# Altium PCB WunderBar_v102b.PcbDoc (part 6 of 7)
Units mil, origin at the board's own origin, x right, y up, seen from the top; angles counter-clockwise.
Board outline 4556.01 x 1552 mil, 4 copper layers (Top, Route2, Route15, Bottom), stack 52.756 mil thick; 380 components, 258 nets, 1400 pads, 528 vias.
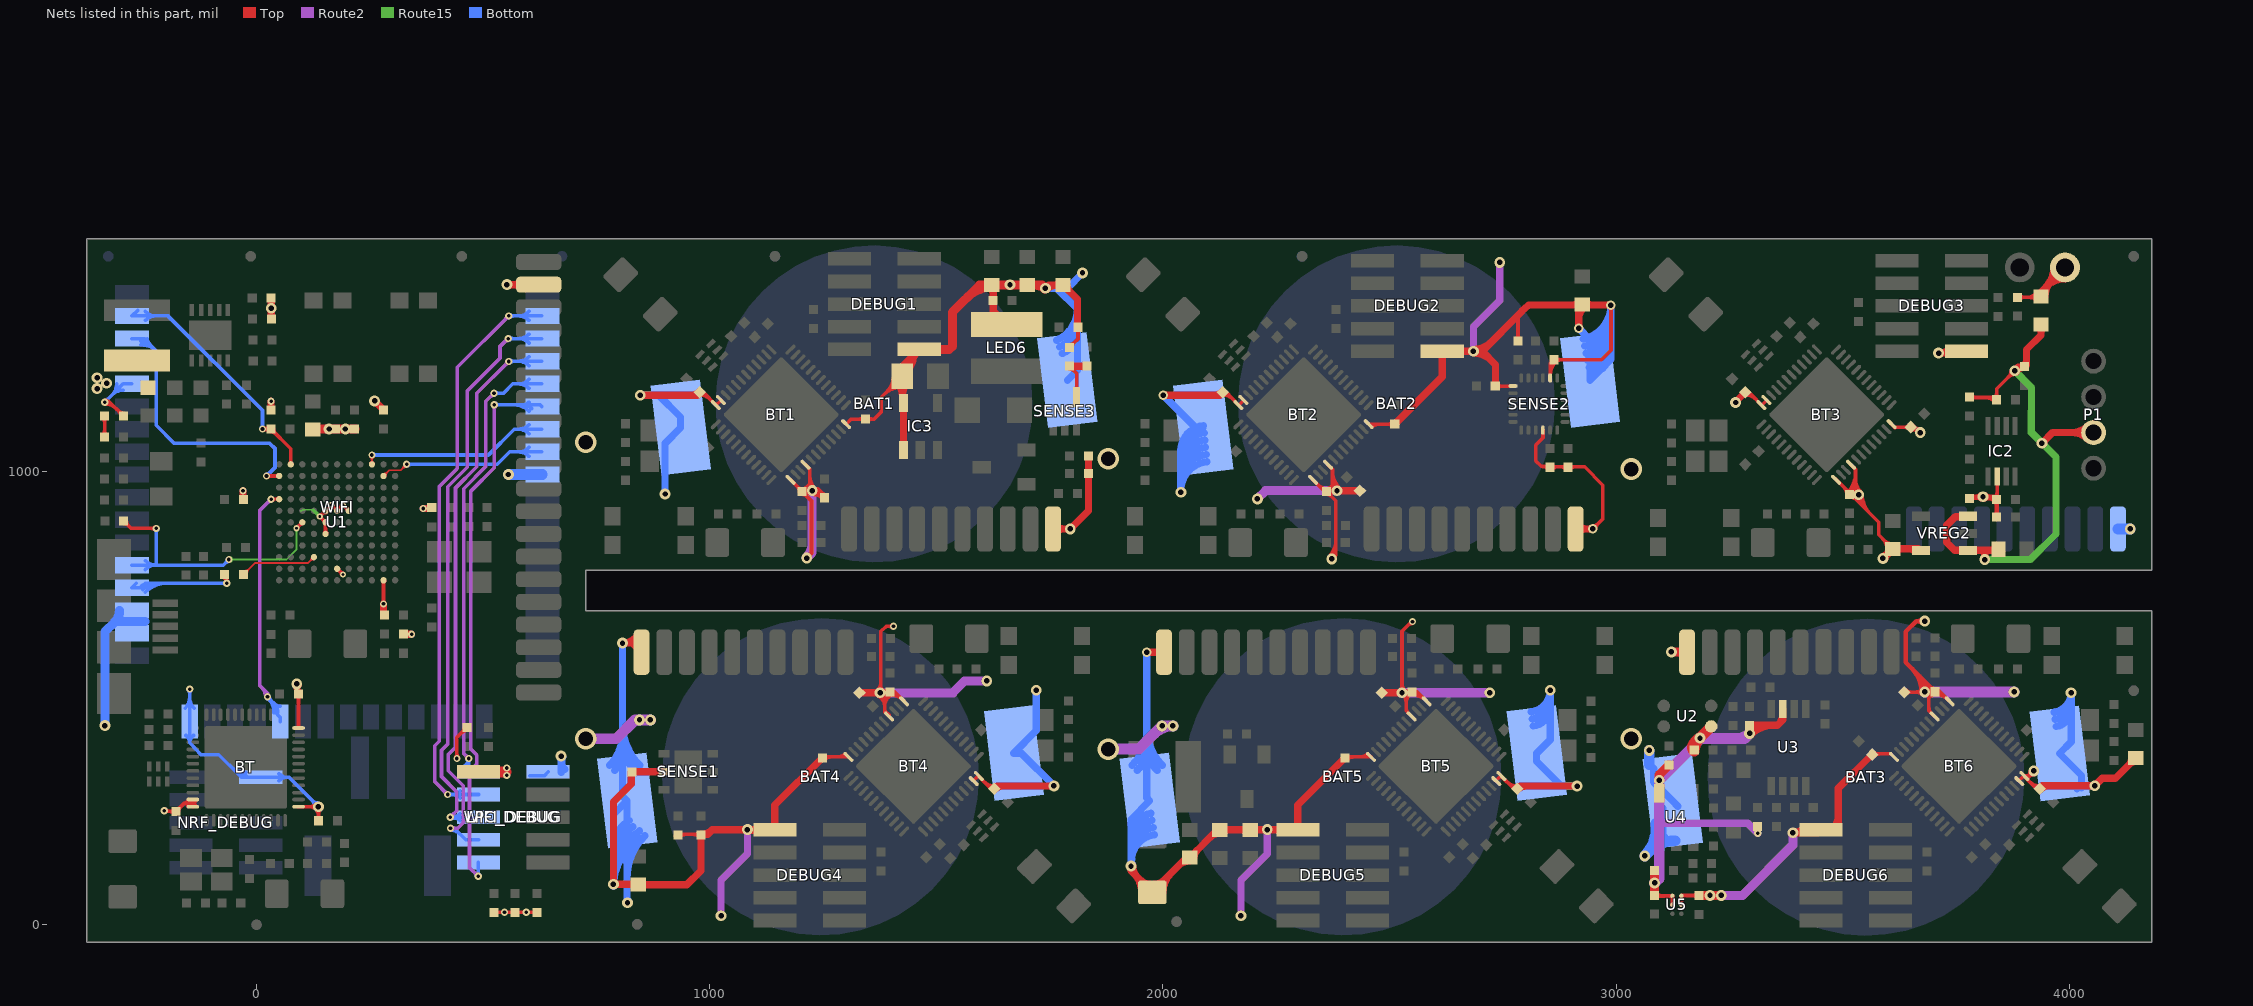
[diagram p8: the nets of this part, all layers, seen from the top]

## Via types
v1: diameter 16, hole 8, Top to Bottom, tented both sides, 282 vias
v2: diameter 24, hole 12, Top to Bottom, tented both sides, 135 vias
v3: diameter 14, hole 6, Top to Bottom, tented both sides, 34 vias
v4: diameter 48/41/41/48 (per signal layer), hole 32, Top to Bottom, 30 vias
v5: diameter 16, hole 8, Top to Route2, tented top, 18 vias
v6: diameter 21/21/21/21 (per signal layer), hole 12, Top to Bottom, tented both sides, 15 vias
v7: diameter 24, hole 12, Top to Route2, tented top, 12 vias
v8: diameter 21/21/21/21 (per signal layer), hole 12, Top to Bottom, 1 vias
v9: diameter 24, hole 8, Top to Bottom, tented both sides, 1 vias

## Nets (pads, with @x,y where several pads share a name; then routed paths per layer and width w, separated by ;. In a path a pad name is that pad's centre, name@x,y a point inside that pad or via, vN(x,y) a via of type N, cw(c..) or ccw(c..) an arc to the next point about the centre after c; other vN are vias at no path point) (continued)
VD33: BAT1.+1 BAT1.+2 BAT2.+1 BAT2.+2 BAT3.+1 BAT3.+2 BAT4.+1 BAT4.+2 BAT5.+1 BAT5.+2 BT1.1 BT1.4 BT1.12 BT1.35 BT1.36 BT2.1 BT2.4 BT2.12 BT2.35 BT2.36 BT3.1 BT3.4 BT3.12 BT3.35 BT3.36 BT4.1 BT4.4 BT4.12 BT4.35 BT4.36 BT5.1 BT5.4 BT5.12 BT5.35 BT5.36 BT6.1 BT6.4 BT6.12 BT6.35 BT6.36 BT.1 BT.12 BT.35 BT.36 C1.1 C2.1 C3.1 C4.1 C5.1 C6.1 C7.1 C10.1 C11.1 C19.1 C25.1 C27.1 C28.1 C29.1 C30.1 C31.1 C37.1 C38.1 C39.1 C41.1 C42.1 C43.1 C49.1 C50.1 C51.1 C52.1 C53.1 C59.1 C60.1 C61.1 C62.1 C63.1 C64.1 C71.1 C72.1 C73.1 C79.1 C81.1 C87.1 C89.1 C107.1 C108.1 C109.1 C110.1 C111.1 DEBUG1.1 DEBUG2.1 DEBUG3.1 DEBUG4.1 DEBUG5.1 DEBUG6.1 IC2.2 IC3.1 IC3.5 L1.2 L2.2 LED6.A LPC_DEBUG.1 NRF_DEBUG.1 PAD2.1 PAD17.1 PAD27.1 PAD37.1 PAD47.1 PAD52.1 R2.2 R6.1 R9.2 R10.2 R11.2 R12.2 R14.2 R16.2 R19.2 R20.2 R21.2 R23.2 R24.2 R27.2 R38.2 R39.2 R40.2 R41.2 R43.1 R44.2 R45.2 R54.1 R55.1 R57.1 R58.1 SENSE1.5 SENSE2.8 SENSE2.13 SENSE2.22 U1.E5 U1.E6 U1.E7 U1.F5 U1.G5 U1.K6 U1.L10 U5.2A U5.2B VD33.1 VREG2.5 WIFI.9 WIFI.31 WIFI.33 WIFI.34 WIFI_DEBUG.1 | length 25996
  Top w8: v1@-203.52,250.15 C6.1@-177.52,250.15 -159.19,268.48 ; v1@-200.69,254.31 ccw(c-190.65,264.35) -190.65,250.15 ; C6.1@-181.76,245.91 ccw(c-192.01,235.66) -192.01,250.15 ccw(c-192.01,264.63) C6.1@-181.76,254.39 ; C6.1@-177.52,250.48 C6.1@-173.52,254.48 ; C6.1@-177.52,256.15 ccw(c-177.52,270.63) -167.28,260.39 ccw(c-157.03,250.15) C6.1@-171.52,250.15 ; BT.36@-150.52,260.48 ccw(c-159.19,259.78) -159.19,268.48 ; BT.35@-150.52,276.48 cw(c-159.19,277.18) -159.19,268.48 ; BT.36@-142.55,261.12 ccw(c-150.52,260.48) -150.52,268.48 ccw(c-150.52,276.48) BT.35@-142.55,275.84 ; -140,268.48 -159.19,268.48 ; BT.36@-134.57,261.76 ccw(c-141.85,261.18) -141.85,268.48 ccw(c-141.85,275.78) BT.35@-134.57,275.2 ; C7.1@88.38,505.24 cw(c78.48,495.34) 92.48,495.34 ; BT.12@92.48,434.09 C7.1@92.48,509.48 ; 92.48,494.65 cw(c107.45,494.65) C7.1@96.86,505.24 ; BT.1@92.62,260.48 v2(136.48,260.48) C5.1@136.48,229.48 ; v2@130.82,266.14 cw(c117.17,279.79) 117.17,260.48 cw(c117.17,241.17) 130.82,254.82 cw(c117.17,241.17) 136.48,241.17 cw(c155.79,241.17) v2@142.14,254.82 ; C5.1@132.57,233.72 ccw(c123.12,243.17) 136.48,243.17 ; 136.48,244.76 ccw(c152.09,244.76) C5.1@141.05,233.72 ; U1.G5@150.05,864.58 ccw(c144.93,869.7) 152.18,869.7 ccw(c159.42,869.7) U1.G5@154.3,864.58 ; U1.F5@150.05,885.91 cw(c144.93,880.79) 152.18,880.79 cw(c159.42,880.79) U1.F5@154.3,885.91 ; U1.E5@152.18,913.61 v3(139.4,900.86) U1.F5@152.18,888.03 U1.G5@152.18,862.46 ; U1.E5@152.18,913.61 v3(165.01,926.38) U1.E6@177.78,913.6 v3(190.6,926.38) U1.E7@203.36,913.61 ; U1.E5@152.18,916.61 ccw(c152.18,924.02) 157.41,918.78 ; U1.E5@155.18,913.61 cw(c162.25,913.61) 157.25,918.62 ; v3@162.01,926.38 cw(c154.8,926.38) 159.9,921.27 cw(c165.01,916.11) 165.01,923.38 cw(c165.01,916.13) 170.14,921.25 cw(c175.26,926.38) v3@168.01,926.38 ; 172.65,918.74 cw(c167.51,913.6) U1.E6@174.78,913.6 ; 172.68,918.71 ccw(c177.78,923.82) 177.78,916.6 ccw(c177.78,923.93) 182.96,918.75 ; U1.K6@177.77,785.64 v3(190.57,772.84) ; U1.K6@177.78,782.65 cw(c177.78,775.45) 182.87,780.54 ; U1.K6@180.78,785.65 ccw(c188.07,785.65) 182.92,780.5 ; U1.E6@180.78,913.6 cw(c187.94,913.6) 182.88,918.66 ; 185.46,777.95 ccw(c190.57,783.06) v3@190.57,775.84 ; 185.44,777.98 cw(c180.3,772.84) v3@187.57,772.84 ; 185.47,921.25 cw(c190.6,916.11) 190.6,923.38 cw(c190.6,916.13) 195.73,921.25 cw(c200.85,926.38) v3@193.6,926.38 ; 185.49,921.27 ccw(c180.39,926.38) v3@187.6,926.38 ; U1.E7@200.36,913.61 ccw(c193.12,913.61) 198.24,918.74 ccw(c203.36,923.85) U1.E7@203.36,916.61 ; v1@277.17,710.83 ccw(c269.99,718.01) 280.14,718.01 ; U1.L10@278.02,757.96 cw(c272.9,752.84) 280.14,752.84 cw(c287.39,752.84) U1.L10@282.27,757.96 ; v1@280.14,700.05 U1.L10@280.14,760.08 ; 280.14,717.31 ccw(c289.31,717.31) v1@282.83,710.83 ; C3.1@285.09,686.48 C3.1@288.09,683.48 ; v1@439.17,369.83 ccw(c432.34,376.66) 442,376.66 ccw(c451.66,376.66) v1@444.83,369.83 ; v1(442,367) 442,413 R41.2@464.48,435.48 ; R41.2@458.48,435.48 cw(c443.99,435.48) 454.24,425.24 cw(c464.48,414.99) R41.2@464.48,429.48 ; R14.2@523.48,27.48 v1(547,27.48) R39.2@570.48,27.48 v1(595,27.48) R38.2@618.48,27.48 ; R24.2@929.48,199.48 R23.2@980.48,199.48 ; R24.2@933.72,194.24 cw(c946.38,181.58) 946.38,199.48 ; R24.2@933.72,202.72 ccw(c941.55,210.55) 941.55,199.48 ; 963.58,199.48 cw(c963.58,181.58) R23.2@976.24,194.24 ; 968.41,199.48 ccw(c968.41,210.55) R23.2@976.24,202.72 ; C1.1@972.48,1168.48 978.48,1175.48 985.48,1175.48 1013.48,1146.48 BT1.35@1025.48,1157.48 ; C1.1@977.99,1168.87 cw(c977.39,1134.79) 1001.91,1158.46 ; C1.1@978.13,1176.86 cw(c977.87,1162.1) C1.1@988.5,1172.36 ; BT1.1@1178.09,981.84 1203.81,956.11 C19.1@1203.81,955.71 1224.48,935.04 1224.48,819.48 ; 1193.28,966.64 cw(c1182.35,955.71) C19.1@1197.81,955.71 ; C19.1@1194.26,965.67 ccw(c1203.81,975.22) 1203.81,961.71 ccw(c1203.81,976.19) 1214.05,965.95 ccw(c1224.3,955.71) 1209.81,955.71 ccw(c1224.3,955.71) 1214.05,945.47 ccw(c1203.81,935.22) C19.1@1203.81,949.71 ; C19.1@1206.05,957.95 1221,972.9 ; BT1.4@1211.32,1015.07 1221,1005.39 1221,972.9 ; v2(1214,809) 1224.48,819.48 ; v2@1215.62,816.83 ccw(c1217.6,826.36) 1224.48,819.48 ; BT1.4@1218.39,1008 cw(c1212.09,1001.7) 1221,1001.7 ; 1221,970.02 ccw(c1238.07,970.02) v7(1226,957.95) ; 1221,989.33 ccw(c1257.38,989.33) v7@1231.66,963.61 ; v2@1221.83,810.62 cw(c1231.36,812.6) 1224.48,819.48 ; v7@1227.11,965.87 cw(c1228.09,972.9) 1221,972.9 ; C42.1@1248.48,368.48 1249.48,370.48 BT4.12@1305.48,370.48 ; C42.1@1252.72,363.91 cw(c1268.59,348.04) 1268.59,370.48 ; 1282.26,370.48 ccw(c1282.26,394.21) BT4.12@1299.04,377.43 ; BT1.12@1300.85,1104.6 1312.1,1115.85 C2.1@1343.87,1115.85 1362.65,1115.85 1378.22,1131.41 1378.22,1164.22 L2.2@1424.48,1210.48 ; BT4.12@1301.57,370.48 ccw(c1301.57,374.9) BT4.12@1304.7,371.77 ; C2.1@1339.62,1111.61 ccw(c1329.38,1101.36) 1329.38,1115.85 ccw(c1329.38,1130.33) C2.1@1339.62,1120.09 ; C2.1@1348.11,1111.61 cw(c1358.35,1101.36) 1358.35,1115.85 cw(c1358.35,1130.33) C2.1@1348.11,1120.09 ; v7@1370.12,517.53 ccw(c1352.35,535.3) 1377.48,535.3 ; v7@1372.17,504.73 cw(c1360.83,482.26) 1386,482.26 ; v7(1375.78,511.87) cw(c1367.39,495.26) 1386,495.26 ; v7@1377.48,509 1377.48,647.48 1389.48,658.48 v1(1405.48,658.48) ; 1377.48,527.07 ccw(c1390.97,527.07) v7@1381.43,517.53 ; 1383.51,1169.51 cw(c1424.48,1128.54) L2.2@1424.48,1186.48 ; 1385.98,473.22 ccw(c1394.83,473.22) BT4.4@1388.57,466.96 ; 1386,481.68 cw(c1417.17,481.68) C43.1@1401.23,508.46 ; 1385.98,484.06 1385.98,472.51 ; 1386,484.08 v7@1386,511.96 ; 1386,495.75 cw(c1408.79,495.75) C43.1@1397.14,515.33 ; 1386.47,472.02 cw(c1381.42,466.96) BT4.4@1388.57,466.96 ; 1393.17,1179.17 ccw(c1365.85,1206.48) L2.2@1404.48,1206.48 ; BT4.4@1395.64,459.89 1395.64,462.85 1385.98,472.51 ; C43.1@1395.69,511.96 1397.34,513.62 1408.38,513.62 ; 1397.17,1183.17 cw(c1424.48,1155.85) L2.2@1424.48,1194.48 ; C43.1@1398.16,507.62 cw(c1398.16,468.45) BT4.1@1425.85,496.14 ; C43.1@1398.16,515.62 cw(c1398.16,495.76) 1412.2,509.8 ; v1@1402.65,655.65 ccw(c1395.82,648.82) 1395.82,658.48 ccw(c1395.82,668.14) v1@1402.65,661.31 ; C43.1@1403.4,510.69 cw(c1408.38,507.91) 1408.38,513.62 ; C43.1@1403.4,516.54 ccw(c1408.38,519.32) 1408.38,513.62 ; BT4.1@1428.87,493.12 1408.38,513.62 ; BT4.35@1581.48,317.48 1592.48,328.48 1620.48,300.48 1627.48,300.48 C41.1@1634.48,306.48 ; 1605.67,315.29 ccw(c1627.86,337.48) C41.1@1627.86,306.1 ; R6.1@1793.48,1274.48 1812.48,1292.48 R12.2@1812.48,1318.48 ; R6.1@1793.64,1280.15 ccw(c1794.01,1293.81) R6.1@1803.41,1283.89 ; R6.1@1799.48,1273.99 cw(c1814.78,1273.57) 1804.25,1284.68 ; R12.2@1808.24,1314.24 cw(c1797.99,1303.99) 1812.48,1303.99 cw(c1826.97,1303.99) R12.2@1816.72,1314.24 ; C29.1@2125.48,1168.48 2132.48,1175.48 2139.48,1175.48 2167.48,1146.48 BT2.35@2178.48,1157.48 ; C29.1@2131.99,1168.87 cw(c2131.39,1134.79) 2155.91,1158.46 ; C29.1@2132.13,1176.86 cw(c2131.87,1162.1) C29.1@2142.5,1172.36 ; BT2.1@2331.09,981.84 2356.74,956.19 C31.1@2360.81,956.19 2381.48,935.52 2381.48,816.48 ; 2343.61,969.31 ccw(c2360.81,986.51) 2360.81,962.19 ccw(c2360.81,976.67) 2371.05,966.43 ccw(c2381.3,956.19) 2366.81,956.19 ccw(c2381.3,956.19) 2371.05,945.95 ccw(c2360.81,935.7) C31.1@2360.81,950.19 ; C31.1@2362.39,957.77 2373.98,969.36 2373.98,1005.41 BT2.4@2364.32,1015.07 ; v2@2366.82,813.14 ccw(c2331.44,848.52) 2381.48,848.52 ; BT2.4@2371.39,1008 cw(c2365.13,1001.74) 2373.98,1001.74 ; 2373.98,981.95 ccw(c2408.18,981.95) v7(2384,957.77) ; 2373.98,1001.26 ccw(c2427.5,1001.26) v7@2389.66,963.42 ; v2@2375.12,815.03 ccw(c2377.15,820.81) 2381.48,816.48 ; v2@2380.03,810.12 cw(c2385.81,812.15) 2381.48,816.48 ; 2381.48,829.21 cw(c2350.75,829.21) v2(2372.48,807.48) 2381.48,816.48 ; C52.1@2401.48,368.48 2403.48,370.48 BT5.12@2459.48,370.48 ; C52.1@2405.72,363.91 cw(c2421.59,348.04) 2421.59,370.48 ; 2435.26,370.48 ccw(c2435.26,394.21) BT5.12@2452.04,377.43 ; BT2.12@2454.48,1104.48 C30.1@2511.48,1104.48 ; BT5.12@2454.57,370.48 ccw(c2454.57,374.9) BT5.12@2457.7,371.77 ; BT2.12@2455.26,1103.19 cw(c2458.39,1100.06) BT2.12@2458.39,1104.48 ; BT2.12@2460.92,1097.53 cw(c2477.7,1080.75) 2477.7,1104.48 ; 2496.2,1104.48 ccw(c2496.2,1120.09) C30.1@2507.24,1109.05 ; 2497.79,1104.48 cw(c2497.79,1091.12) C30.1@2507.24,1100.57 ; v7@2521.82,517.68 ccw(c2508.17,531.34) 2527.48,531.34 ccw(c2546.79,531.34) v7@2533.14,517.68 ; v7@2527.48,509 v7(2527.48,512.02) ; v7@2536,512.02 2536.56,511.46 2536.56,471.97 BT5.4@2548.64,459.89 ; 2536.56,479.05 ccw(c2553.66,479.05) BT5.4@2541.57,466.96 ; 2536.56,488.08 cw(c2573.39,488.08) C53.1@2548.51,515.24 ; 2536.56,490.19 ccw(c2505.77,490.19) v7(2527.48,512.02) ; 2541.12,661.12 cw(c2550.48,651.77) v1@2550.48,665 ; C53.1@2549.86,507.76 cw(c2549.86,465.83) BT5.1@2579.51,495.48 ; C53.1@2549.86,513.76 2561.23,513.76 ; C53.1@2549.86,515.76 cw(c2549.86,493.14) 2565.86,509.14 ; v1(2550.48,669) 2549,669 2527.48,647.48 v7(2527.48,512.02) ; C53.1@2554.82,510.38 cw(c2561.23,505.99) 2561.23,513.76 ; C53.1@2554.82,517.15 ccw(c2561.23,521.54) 2561.23,513.76 ; BT5.1@2581.87,493.12 2561.23,513.76 ; C38.1@2733.48,1188.48 SENSE2.13@2773.48,1188.48 ; BT5.35@2734.48,317.48 2745.48,328.48 2774.48,300.48 C51.1@2781.48,300.48 ; C38.1@2737.39,1184.24 cw(c2747.63,1173.99) 2747.63,1188.48 cw(c2747.63,1202.97) C38.1@2737.39,1192.72 ; 2759.65,314.8 ccw(c2781.21,337.14) C51.1@2781.76,306.09 ; R21.2@2779.24,1292.72 ccw(c2768.99,1302.97) 2783.48,1302.97 ccw(c2797.97,1302.97) R21.2@2787.72,1292.72 ; R21.2@2783.48,1287.48 2783.48,1344.48 2791.48,1353.48 ; 2835.17,1011.48 cw(c2835.17,990.17) R19.2@2850.24,1005.24 ; SENSE2.22@2838.48,1091.48 2838.48,1074.48 2822.48,1058.48 2822.48,1023.48 2834.48,1011.48 2853.48,1011.48 2854.48,1010.48 2930.48,1010.48 2970.48,969.48 2970.48,895.48 v6(2948.48,873.48) ; SENSE2.8@2854.48,1206.48 2854.48,1238.48 2862.48,1246.48 2967.48,1246.48 2988.48,1267.48 v6(2988.48,1367.48) ; SENSE2.8@2854.48,1213.01 cw(c2896.28,1213.01) 2866.72,1242.57 cw(c2876.17,1233.12) 2876.17,1246.48 ; 2854.48,1232.33 cw(c2876.97,1232.33) C39.1@2861.07,1248.23 ; R19.2@2858.72,1005.24 cw(c2871.38,992.58) 2871.38,1010.48 ; R19.2@2858.72,1013.72 ccw(c2866.55,1021.55) 2866.55,1010.48 ; C39.1@2866.72,1251.05 ccw(c2877.76,1262.09) 2877.76,1246.48 ; 2876.58,1010.48 cw(c2876.58,992.58) R20.2@2889.24,1005.24 ; 2881.41,1010.48 ccw(c2881.41,1021.55) R20.2@2889.24,1013.72 ; R20.2@2897.72,1005.24 cw(c2910.38,992.58) 2910.38,1010.48 ; R20.2@2897.72,1013.72 ccw(c2905.55,1021.55) 2905.55,1010.48 ; v6@2948.48,879.98 ccw(c2948.48,895.67) 2959.58,884.58 ccw(c2970.67,873.48) v6@2954.98,873.48 ; v6@2983.88,1362.88 cw(c2972.79,1351.79) 2988.48,1351.79 cw(c3004.17,1351.79) v6@2993.08,1362.88 ; U5.2A@3143.84,63.68 U5.2A@3144.83,64.67 ; C62.1@3279.48,1168.48 3285.48,1175.48 3292.48,1175.48 3321.48,1146.48 BT3.35@3332.48,1157.48 ; C62.1@3285.1,1168.86 cw(c3285.1,1135.07) 3309,1158.97 ; C62.1@3285.1,1176.86 cw(c3285.1,1162.38) C62.1@3295.34,1172.62 ; DEBUG6.1@3445.23,203 DEBUG6.1@3451.72,209.49 ; BT3.1@3485.48,982.48 C64.1@3516.55,951.41 ; 3502.11,965.85 cw(c3485.92,949.67) C64.1@3508.81,949.67 ; C64.1@3510.57,953.91 ccw(c3468.48,996) 3528,996 ; C64.1@3514.81,943.67 cw(c3514.81,920.78) 3530.99,936.97 ; C64.1@3516.23,948.26 ccw(c3487.8,976.68) 3528,976.68 ; BT3.4@3518.32,1015.07 3528,1005.39 v2@3528,948.78 ; C64.1@3519.18,948.78 3579.48,888.48 3579.48,860.48 C87.1@3610.48,829.48 ; C64.1@3521.88,942.6 ccw(c3507.11,957.37) v2@3528,957.37 ; BT3.4@3525.39,1008 cw(c3519.09,1001.7) 3528,1001.7 ; v2@3526.88,948.78 ccw(c3545.47,948.78) 3532.33,935.63 ; 3528,965.39 ccw(c3551.49,965.39) v2(3534.88,948.78) ccw(c3572.79,948.78) 3545.98,921.98 ; 3528,984.71 ccw(c3570.81,984.71) v2@3540.54,954.44 ; v2@3542.88,948.78 ccw(c3600.1,948.78) 3559.64,908.32 ; C72.1@3564.64,377 3605.75,377 BT6.12@3606.11,377.36 ; C72.1@3568.88,371.47 cw(c3582.24,358.11) 3582.24,377 ; C72.1@3568.88,379.95 ccw(c3576.01,387.08) C72.1@3576.01,377 ; 3587.93,852.03 cw(c3564.89,828.98) C87.1@3597.48,828.98 ; 3592.76,847.2 ccw(c3608.98,863.42) C87.1@3608.98,840.48 ; BT3.12@3607.48,1104.48 3615.35,1097.14 C63.1@3650.38,1098.35 ; R43.1@3635.62,513.45 3702.91,513.45 3690,500.53 3690,472.53 BT6.4@3702.64,459.89 ; R43.1@3639.87,509.2 cw(c3650.11,498.96) 3650.11,513.45 cw(c3650.11,527.93) R43.1@3639.87,517.69 ; C63.1@3646,1102.44 cw(c3635.41,1112.32) 3635.91,1097.85 cw(c3636.41,1083.37) C63.1@3646.29,1093.96 ; C63.1@3651.22,1092.4 cw(c3654.47,1069.4) v2(3670.9,1085.83) C63.1@3654.38,1102.35 ; 3660.56,513.45 ccw(c3660.56,534.36) v7@3675.34,519.57 ; 3662.82,513.45 cw(c3662.82,495.73) v7@3675.34,508.26 ; v2@3662.9,1085.83 ccw(c3643.59,1085.83) 3657.25,1099.48 ccw(c3670.9,1113.14) v2@3670.9,1093.83 ; v2@3662.97,1086.84 ccw(c3657.97,1087.47) 3660.49,1091.84 ccw(c3663.01,1096.21) v2@3666.06,1092.19 ; v7@3686.66,508.26 cw(c3699.18,495.73) C73.1@3699.18,513.45 ; v7@3686.66,519.57 ccw(c3701.44,534.36) C73.1@3701.44,513.45 ; v7@3687.36,513.45 ccw(c3687.36,530.51) C73.1@3699.43,518.44 ; v7@3688.2,510.44 cw(c3692.23,508.49) 3693.38,512.81 cw(c3695.38,520.27) v7@3688.32,517.15 ; 3690,480.4 ccw(c3709.01,480.4) BT6.4@3695.57,466.96 ; v7@3691,513.45 cw(c3691,501.54) C73.1@3699.43,509.96 ; C73.1@3697.67,514.2 cw(c3683.18,514.2) 3693.43,503.96 cw(c3703.67,493.72) 3703.67,508.2 cw(c3703.67,466.85) BT6.1@3732.91,496.09 ; C73.1@3701.85,520.02 3705.67,516.2 3712.8,516.2 BT6.1@3735.87,493.12 ; C73.1@3703.38,513.91 C73.1@3703.67,514.2 ; C73.1@3703.67,516.2 cw(c3703.67,494.17) 3719.25,509.75 ; R44.2@3834.48,941.48 3838.48,937.48 R44.2@3839.48,938.48 3840.48,939.48 IC2.2@3840.48,989.48 ; R44.2@3835.24,942.72 ccw(c3822.58,955.38) 3840.48,955.38 ; R45.2@3839.48,894.48 R45.2@3839.48,899.48 ; 3840.48,950.55 ccw(c3851.55,950.55) R44.2@3843.72,942.72 ; BT6.35@3888.48,317.48 BT6.36@3899.48,328.48 ; BT6.36@3906.73,323.99 cw(c3920.43,315.27) v2@3921.13,331.49 ; BT6.36@3907.66,323.67 cw(c3921.9,314.6) v2@3921.62,331.48 ; 3908.72,327.11 cw(c3917.49,321.53) v2@3919.74,331.67 ; 3909.75,328.73 ccw(c3914.58,323.46) 3907.8,321.2 cw(c3922.25,320.57) 3912.48,331.23 ; 3911.68,329.98 cw(c3916.3,327.04) v2@3918.4,332.1 ; 3912.67,315.29 ccw(c3934.86,337.48) C71.1@3934.86,306.1 ; v2@3913.51,338.8 cw(c3900.99,337.74) 3909.48,328.48 ; v2@3920.11,331.6 ccw(c3917.97,319.22) 3909.48,328.48 ; v2(3921.48,339.48) 3909.48,328.48 ; C71.1@3934.48,300.48 3927.48,300.48 BT6.36@3899.48,328.48 ; 1385.98,472.51 ccw(c1393.22,472.51) BT4.4@1388.57,466.96 ; BT6.36@3899.48,328.48 3909.48,328.48 ; 3912.54,331.32 ccw(c3905.35,335.9) 3913.67,337.75 cw(c3905.35,335.9) 3912.54,331.32
  Top w9: U5.2B@3143.84,44 U5.2A@3143.84,63.68 ; U5.2A@3144.83,64.67 C111.1@3183,64.67 ; C111.1@3179.11,60.78 ccw(c3169.72,51.39) 3169.72,64.67 ccw(c3169.72,77.95) C111.1@3179.11,68.56
  Top w10: BT.36@-140,261.48 BT.35@-140,273 ; 3652.82,565.05 cw(c3601.68,513.91) v7@3674,513.91 ; 3669.89,547.98 cw(c3635.82,513.91) v7@3684,513.91 ; v2@3676.05,665.05 ccw(c3664.1,653.1) 3664.1,670 ccw(c3664.1,686.9) v2@3676.05,674.95 ; v2(3681,670) 3662,670 3639,647 3639,578.87 C73.1@3703.67,514.2 ; C73.1@3698.67,514.2 ccw(c3686.6,514.2) 3695.13,522.74 ccw(c3703.67,531.27) C73.1@3703.67,519.2 ; C89.1@3779.48,944.48 R44.2@3834.48,944.48 ; C89.1@3783.02,937.28 cw(c3800.41,919.88) v2@3800.41,944.48 ; 3792.04,942.24 cw(c3795.64,928.79) v2@3804.85,939.23 ; v2@3804.53,939.53 ccw(c3792.58,927.58) 3792.58,944.48 ccw(c3792.58,961.38) v2@3804.53,949.43 ; v2@3812.92,944.48 cw(c3812.92,911.92) 3835.94,934.94 cw(c3827.41,926.41) 3839.48,926.41 cw(c3851.55,926.41) R44.2@3843.02,934.94 ; v2@3813.08,938.47 cw(c3822.81,922.22) 3827.71,940.52 ; v2@3814.43,939.53 cw(c3826.38,927.58) 3826.38,944.48 cw(c3826.38,961.38) v2@3814.43,949.43 ; v2@3815.54,947.98 ccw(c3827.54,954.91) 3823.96,941.52 ; R45.2@3835.94,903.02 ccw(c3827.41,911.55) 3839.48,911.55 ccw(c3851.55,911.55) R45.2@3843.02,903.02 ; R45.2@3839.48,899.48 R44.2@3839.48,938.48
  Top w12: v2@84.38,527.35 cw(c74.14,517.11) 88.62,517.11 cw(c103.11,517.11) v2@92.86,527.35 ; v2@85.62,526.39 cw(c79.61,515.99) C7.1@91.22,519.1 ; C7.1@88.62,509.48 v2(88.62,531.59) ; v2@88.62,528.79 ccw(c111.94,528.79) C7.1@95.45,512.31 ; C7.1@91.42,518.35 cw(c101.99,521.18) v2@93.36,527.9
  Top w16: C108.1@-29.7,938.52 v1@-29.7,957.52 ; R11.2@32,1135.78 v1(32,1155) ; R2.2@32.48,1336.48 C11.1@32.48,1383.48 ; v2(260.49,1155.81) R16.2@280.14,1136.16 ; C3.1@279.95,691.48 v1@279.95,708 ; 279.95,693.49 ccw(c292.1,693.49) C3.1@283.51,684.89 ; R40.2@323.76,641.32 v1(342,641.32) ; v1(368,918.52) C107.1@382.48,918.52 ; v2(552.48,1412.48) VD33.1@619.48,1412.48 ; VD33.1@583.26,1405.76 ccw(c567.05,1389.55) 567.05,1412.48 ccw(c567.05,1435.42) VD33.1@583.26,1419.2 ; 821.67,89.48 cw(c821.67,69.67) C49.1@835.68,83.68 ; 824.08,89.48 ccw(c824.08,105.88) C49.1@835.68,94.28 ; PAD27.1@841.67,639.39 cw(c807.48,663.07) v2(807.48,621.48) 829.48,621.48 PAD27.1@849.48,601.48 ; v2(846.48,1168.48) C1.1@972.48,1168.48 ; C49.1@849.28,83.68 cw(c860.88,72.08) 860.88,88.48 ; C49.1@849.28,94.28 ccw(c863.29,108.29) 863.29,88.48 ; SENSE1.5@899.48,337.48 827.48,337.48 826.48,336.48 826.48,310.48 787.48,271.48 v2(787.48,89.48) 841.48,89.48 842.48,88.48 949.48,88.48 980.48,119.48 980.48,199.48 995.48,199.48 1005.48,209.48 ; 957.85,1168.48 ccw(c957.85,1195.11) C1.1@976.68,1176.28 ; R23.2@980.66,200.47 ccw(c983.44,231.52) 1005.48,209.48 ; v7@1085,206.54 cw(c1093.97,191) DEBUG4.1@1098.61,208.33 ; v7@1085.69,212.96 ccw(c1093.87,221.95) DEBUG4.1@1097.02,210.21 ; DEBUG4.1@1106.26,204.53 ccw(c1094.31,192.58) 1094.31,209.48 ccw(c1094.31,226.38) DEBUG4.1@1106.26,214.43 ; DEBUG4.1@1138.76,214.43 ccw(c1127.36,225.83) 1143.48,225.83 ; DEBUG4.1@1142.48,208.48 DEBUG4.1@1143.48,209.48 ; 1143.48,226.93 ccw(c1161.16,226.93) DEBUG4.1@1148.66,214.43 ; C19.1@1203.81,955.71 1206.05,957.95 v7(1226,957.95) 1237.77,957.95 R54.1@1253.54,942.18 ; C19.1@1205.23,954.29 cw(c1214.05,945.47) v7@1214.05,957.95 ; C19.1@1212.98,957.66 cw(c1215.79,947.21) v7@1223.24,955.05 ; v7@1226,953.95 cw(c1226,915.89) R54.1@1252.91,942.8 ; C42.1@1248.48,368.48 1143.48,264.48 DEBUG4.1@1143.48,209.48 ; R57.1@1330.28,511.96 1386,511.96 C43.1@1395.69,511.96 ; IC3.1@1427.48,1044.48 1427.48,1154.48 1425.48,1156.48 1425.48,1232.48 DEBUG1.1@1462.48,1269.48 ; C28.1@1618.68,1406.68 cw(c1602.25,1390.25) 1625.48,1390.25 ; C28.1@1622.48,1411.48 1625.48,1408.48 1625.48,1354.48 LED6.A@1655.48,1324.48 ; C41.1@1629.28,298.68 cw(c1648.11,279.85) 1648.11,306.48 ; C41.1@1634.48,306.48 v2(1759.48,306.48) ; v2@1733.48,1411.48 v2(1740.48,1404.48) ; v2@1737.48,1407.48 v2(1740.48,1404.48) ; v2@1743.31,1401.65 cw(c1767.04,1377.92) C25.1@1767.04,1411.48 ; v2@1743.48,1407.48 v2(1740.48,1404.48) ; PAD2.1@1757.48,873.48 v2(1795.48,873.48) 1835.48,913.48 R10.2@1835.48,995.48 R9.2@1835.48,1034.48 ; 1758.67,1411.48 ccw(c1758.67,1431.29) C25.1@1772.68,1417.28 ; 1761.08,1411.48 cw(c1761.08,1395.08) C25.1@1772.68,1406.68 ; PAD2.1@1764.2,866.76 cw(c1780.42,850.55) 1780.42,873.48 cw(c1780.42,896.42) PAD2.1@1764.2,880.2 ; C25.1@1788.48,1412.1 ccw(c1811.37,1412.46) 1795.44,1396.02 ; R12.2@1812.48,1318.48 1811.48,1319.48 1811.48,1380.48 1779.48,1411.48 1747.48,1411.48 v2(1740.48,1404.48) ; v2(1929.48,129.48) 1929.48,119.48 1976.48,72.48 2052.48,148.48 2059.48,148.48 2120.48,209.48 DEBUG5.1@2297.48,209.48 ; v2@1933.48,129.48 ccw(c1967.28,129.48) 1943.38,105.58 ; 1935.66,113.3 cw(c1893.83,71.48) R27.2@1952.98,71.48 ; 1951.35,97.61 ccw(c1970.98,117.24) R27.2@1970.98,89.48 ; v8(1964.48,601.48) PAD37.1@2002.48,601.48 ; R27.2@1981.98,89.48 ccw(c1981.98,117.24) 2001.61,97.61 ; PAD37.1@1995.76,594.76 ccw(c1979.55,578.55) 1979.55,601.48 ccw(c1979.55,624.42) PAD37.1@1995.76,608.2 ; R27.2@1999.98,71.48 cw(c2059.13,71.48) 2017.3,113.3 ; v6(2000.48,1168.48) C29.1@2125.48,1168.48 ; 2034.93,130.93 cw(c2057.98,107.89) C61.1@2057.98,140.48 ; C61.1@2068.48,147.98 cw(c2091.42,147.98) 2075.2,164.2 ; 2104.35,193.35 cw(c2123.98,173.72) C60.1@2123.98,201.48 ; 2111.85,1168.48 ccw(c2111.85,1195.11) C29.1@2130.68,1176.28 ; C60.1@2132.28,203.68 cw(c2146.29,189.67) 2146.29,209.48 ; C60.1@2132.28,214.28 ccw(c2143.88,225.88) 2143.88,209.48 ; 2171.67,209.48 cw(c2171.67,189.67) C59.1@2185.68,203.68 ; 2174.08,209.48 ccw(c2174.08,225.88) C59.1@2185.68,214.28 ; C59.1@2199.28,203.68 cw(c2213.29,189.67) 2213.29,209.48 ; C59.1@2199.28,214.28 ccw(c2210.88,225.88) 2210.88,209.48 ; DEBUG5.1@2260.26,204.53 ccw(c2248.31,192.58) 2248.31,209.48 ccw(c2248.31,226.38) DEBUG5.1@2260.26,214.43 ; DEBUG5.1@2292.76,214.43 ccw(c2281.36,225.83) 2297.48,225.83 ; DEBUG5.1@2295.48,208.48 DEBUG5.1@2297.48,209.48 ; 2297.48,226.93 ccw(c2315.16,226.93) DEBUG5.1@2302.66,214.43 ; C31.1@2360.81,956.19 2362.39,957.77 R55.1@2434.75,957.77 ; C52.1@2401.48,368.48 2297.48,264.48 DEBUG5.1@2297.48,209.48 ; R58.1@2483.05,512.02 v7(2527.48,512.02) 2536,512.02 2548.12,512.02 C53.1@2549.86,513.76 ; C30.1@2511.48,1104.48 2616.48,1209.48 DEBUG2.1@2616.48,1265.48 ; DEBUG2.1@2611.3,1260.53 cw(c2598.8,1248.03) 2616.48,1248.03 ; 2616.48,1249.13 cw(c2632.6,1249.13) DEBUG2.1@2621.2,1260.53 ; DEBUG2.1@2617.48,1267.48 DEBUG2.1@2616.48,1265.48 ; DEBUG2.1@2618.48,1263.48 DEBUG2.1@2616.48,1265.48 ; DEBUG2.1@2653.7,1260.53 cw(c2665.65,1248.58) 2665.65,1265.48 cw(c2665.65,1282.38) DEBUG2.1@2653.7,1270.43 ; v7@2685,1261.48 cw(c2685,1204.79) 2725.08,1244.88 ; v7@2684.98,1269.48 ccw(c2684.65,1326.43) 2725.15,1286.39 ; C38.1@2733.48,1188.48 2733.48,1236.48 2704.48,1265.48 ; C51.1@2781.86,300.1 2787.86,306.1 v2(2913.86,306.1) ; C51.1@2783.28,298.68 cw(c2801.18,280.78) 2801.18,306.1 ; 2902.25,1367.48 ccw(c2902.25,1390.71) C37.1@2918.68,1374.28 ; PAD17.1@2910.48,873.48 v6(2948.48,873.48) ; PAD17.1@2917.2,866.76 cw(c2933.42,850.55) 2933.42,873.48 cw(c2933.42,896.42) PAD17.1@2917.2,880.2 ; v6(2917.48,1316.48) 2917.48,1359.48 C37.1@2925.48,1367.48 ; 2917.48,1335.18 cw(c2957.78,1335.18) C37.1@2929.28,1363.68 ; C37.1@2932.28,1374.28 ccw(c2948.71,1390.71) 2948.71,1367.48 ; v6(2988.48,1367.48) 2926.48,1367.48 2925.48,1368.48 2924.48,1367.48 2806.48,1367.48 2791.48,1353.48 2704.48,1265.48 ; v2(3263.48,1152.48) 3263.48,1153.48 C62.1@3285.48,1175.48 ; DEBUG6.1@3413.89,214.03 cw(c3390,234.38) v7(3390,203) DEBUG6.1@3445.23,203 ; DEBUG6.1@3451.72,209.49 3489.5,209.5 3490,210 3490,301.07 C72.1@3564.64,375.71 ; DEBUG6.1@3479.27,214.44 ccw(c3453.36,240.35) 3490,240.35 ; C64.1@3516.55,951.41 3519.18,948.78 3528,948.78 v2(3534.88,948.78) ; v2@3587.45,812.34 ccw(c3582.24,831.76) C87.1@3599.65,821.71 ; v2@3588.98,807.98 3610.48,829.48 3666.48,829.48 VREG2.5@3669.48,826.48 ; v2@3592.34,807.44 cw(c3610.17,802.67) C87.1@3600.94,818.65 ; v2@3592.43,807.84 cw(c3606.09,805.64) C87.1@3599.17,817.63 ; C87.1@3595.47,814.47 ccw(c3580.96,828.98) C87.1@3601.48,828.98 ; C87.1@3597.88,816.88 cw(c3608.98,805.79) C87.1@3608.98,821.48 ; C87.1@3617.28,823.68 cw(c3631.29,809.67) 3631.29,829.48 ; C87.1@3617.28,834.28 ccw(c3628.88,845.88) 3628.88,829.48 ; 3646.44,829.48 cw(c3646.44,813.04) VREG2.5@3658.07,824.67 ; v2(3711.48,1261.48) 3769.48,1261.48 DEBUG3.1@3773.48,1265.48 ; v2@3714.2,1261.48 ccw(c3714.2,1292.04) DEBUG3.1@3735.8,1270.43 ; C71.1@3934.1,300.86 3940.23,307 v2@4056.23,307 ; C71.1@3936.28,298.68 cw(c3956.36,278.6) 3956.36,307 ; v2(4056.1,306.86) v2@4056.23,307 ; C79.1@4131.31,352.46 ccw(c4115.95,367.82) C79.1@4137.68,367.82 ; C79.1@4134.93,356.08 cw(c4145.18,345.84) C79.1@4145.18,360.32 ; C79.1@4146.68,367.82 4101.95,323.09 4072.33,323.09 v2@4056.23,307 ; 1005.48,209.48 DEBUG4.1@1143.48,209.48 ; L2.2@1413.17,1195.17 cw(c1383.44,1165.44) IC3.5@1425.48,1165.44 ; L2.2@1413.17,1195.17 cw(c1383.44,1165.44) IC3.5@1425.48,1165.44 ; L2.2@1413.17,1195.17 cw(c1383.44,1165.44) IC3.5@1425.48,1165.44 ; L2.2@1424.48,1214.48 cw(c1463.58,1215.27) 1435.93,1242.93 ; L2.2@1424.48,1214.48 cw(c1463.58,1215.27) 1435.93,1242.93 ; L2.2@1424.48,1214.48 ccw(c1400.64,1257.05) 1448.01,1245.38 cw(c1400.64,1257.05) L2.2@1424.48,1214.48 ; L2.2@1424.48,1214.48 cw(c1463.58,1215.27) 1435.93,1242.93 ; IC3.5@1425.48,1170.27 cw(c1460.69,1170.27) L2.2@1435.79,1195.17 ; IC3.5@1425.48,1170.27 cw(c1460.69,1170.27) L2.2@1435.79,1195.17 ; IC3.5@1425.48,1170.27 cw(c1460.69,1170.27) L2.2@1435.79,1195.17 ; L2.2@1440.48,1214.8 cw(c1515.63,1216.33) DEBUG1.1@1462.48,1269.48 ; L2.2@1440.48,1214.8 cw(c1515.63,1216.33) DEBUG1.1@1462.48,1269.48 ; L2.2@1440.48,1214.8 cw(c1515.63,1216.33) DEBUG1.1@1462.48,1269.48 ; DEBUG2.1@2616.48,1265.48 2704.48,1265.48